# KiCad board redherring.kicad_pcb (continued)
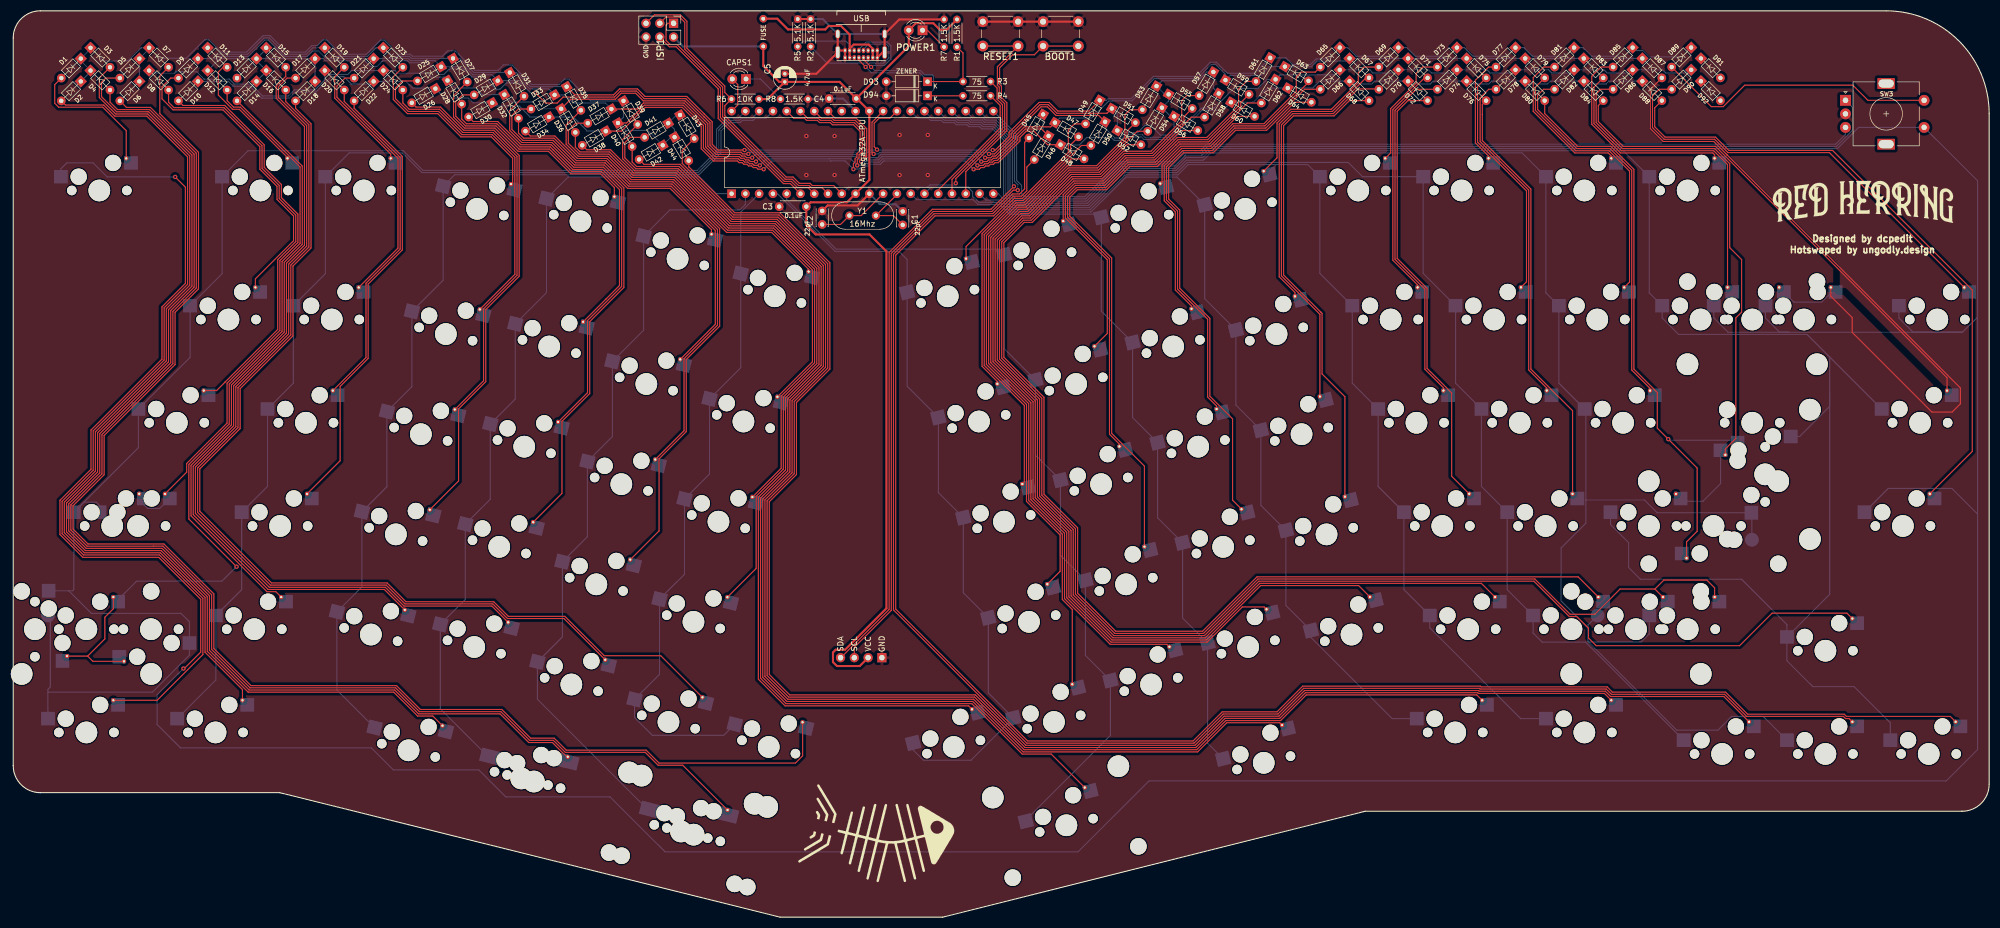
[diagram p0: board, top side]
## Nets
+5V: C3.1 C4.1 C5.1 F1.1 ISP1.2 J2.2 POWER1.2 R1.1 R6.1 U1.10 U1.30
GND: BOOT1.1 C1.1 C2.1 C3.2 C4.2 C5.2 D93.2 D94.2 ISP1.6 J2.1 R2.1 R5.1 R7.2 R8.2 RESET1.1 SW3.C U1.11 U1.31 USB.A1 USB.A12 USB.B1 USB.B12 USB.S1
VCC: F1.2 USB.A4 USB.A9 USB.B4 USB.B9
boot: BOOT1.2 U1.18
CAPSLOCK: CAPS1.2 U1.40
COL0: MX101.1 MX201.1 MX301.1 MX401.1 MX401.125.1 MX501.1 MX501.175.1 MX501.225.1 MX601.1 U1.39
COL1: MX102.1 MX202.1 MX302.1 MX402.1 MX502.1 MX602.1 U1.38
COL2: MX103.1 MX203.1 MX303.1 MX403.1 MX503.1 MX603.1 U1.37
COL3: MX104.1 MX204.1 MX304.1 MX404.1 MX504.1 MX604.1 MX604.1.1 U1.1
COL4: MX105.1 MX205.1 MX305.1 MX405.1 MX505.1 MX605.1 MX605.225.1 U1.2
COL5: MX106.1 MX206.1 MX306.1 MX406.1 MX506.1 MX606.1 U1.3
COL6: MX107.1 MX207.1 MX307.1 MX407.1 MX507.1 MX607.1 U1.4
COL7: MX108.1 MX208.1 MX308.1 MX408.1 MX508.1 MX608.1 U1.5
COL8: MX109.1 MX209.1 MX309.1 MX409.1 MX509.1 MX609.1 U1.14
COL9: MX110.1 MX210.1 MX310.1 MX410.1 MX510.1 MX610.1 U1.15
COL10: MX111.1 MX211.1 MX311.1 MX411.1 MX511.1 MX611.1 U1.19
COL11: MX112.1 MX212.1 MX312.1 MX412.1 MX512.1 MX612.1 U1.20
COL12: MX113.1 MX213.1 MX313.1 MX413.1 MX413.225.1 MX513.1 MX513.225.1 MX613.1 U1.27
COL13: MX114.1 MX214.1 MX314.1 MX314.150.1 MX414.1 MX514.1 MX614.1 U1.26
COL14: MX215.1 MX215.2.1 MX315.1 MX415.1 MX615.1 SW3.S1 U1.25
D+: R4.1 U1.16
D-: R3.1 U1.17
EN1: SW3.A U1.24
EN2: SW3.B U1.21
MISO: ISP1.1 U1.7
MOSI: ISP1.4 U1.6
reset: ISP1.5 R6.2 RESET1.2 U1.9
ROW0: D11.1 D19.1 D23.1 D27.1 D31.1 D35.1 D49.1 D61.1 D65.1 D69.1 D73.1 D77.1 D81.1 D85.1 D89.1 U1.28
ROW1: D9.1 D21.1 D25.1 D29.1 D33.1 D37.1 D47.1 D59.1 D63.1 D67.1 D71.1 D75.1 D79.1 D83.1 D87.1 U1.34
ROW2: D8.1 D20.1 D24.1 D28.1 D32.1 D36.1 D50.1 D62.1 D66.1 D70.1 D74.1 D78.1 D82.1 D86.1 D90.1 U1.33
ROW3: D10.1 D22.1 D26.1 D30.1 D34.1 D38.1 D48.1 D60.1 D64.1 D68.1 D72.1 D76.1 D80.1 D84.1 D88.1 U1.36
ROW4: D12.1 D13.1 D14.1 D15.1 D16.1 D17.1 D18.1 D51.1 D52.1 D53.1 D54.1 D55.1 D56.1 D57.1 D58.1 U1.29
ROW5: D1.1 D2.1 D3.1 D4.1 D5.1 D6.1 D7.1 D39.1 D40.1 D41.1 D42.1 D43.1 D44.1 D45.1 D46.1 U1.35
SCK: ISP1.3 U1.8
SCL: J2.3 U1.22
SDA: J2.4 U1.23
Net-(C1-Pad2): C1.2 U1.13 Y1.1
Net-(C2-Pad2): C2.2 U1.12 Y1.2
Net-(CAPS1-Pad1): CAPS1.1 R8.1
Net-(D1-Pad2): D1.2 MX615.2
Net-(D2-Pad2): D2.2 MX601.2
Net-(D3-Pad2): D3.2 MX602.2
Net-(D4-Pad2): D4.2 MX604.2 MX604.1.2
Net-(D5-Pad2): D5.2 MX603.2
Net-(D6-Pad2): D6.2 MX605.2 MX605.225.2
Net-(D7-Pad2): D7.2 MX606.2
Net-(D8-Pad2): D8.2 MX301.2
Net-(D9-Pad2): D9.2 MX201.2
Net-(D10-Pad2): D10.2 MX401.2 MX401.125.2
Net-(D11-Pad2): D11.2 MX101.2
Net-(D12-Pad2): D12.2 MX501.2 MX501.175.2 MX501.225.2
Net-(D13-Pad2): D13.2
Net-(D14-Pad2): D14.2 MX502.2
Net-(D15-Pad2): D15.2 MX503.2
Net-(D16-Pad2): D16.2 MX505.2
Net-(D17-Pad2): D17.2 MX504.2
Net-(D18-Pad2): D18.2 MX506.2
Net-(D19-Pad2): D19.2 MX102.2
Net-(D20-Pad2): D20.2 MX302.2
Net-(D21-Pad2): D21.2 MX202.2
Net-(D22-Pad2): D22.2 MX402.2
Net-(D23-Pad2): D23.2 MX103.2
Net-(D24-Pad2): D24.2 MX303.2
Net-(D25-Pad2): D25.2 MX203.2
Net-(D26-Pad2): D26.2 MX403.2
Net-(D27-Pad2): D27.2 MX104.2
Net-(D28-Pad2): D28.2 MX304.2
Net-(D29-Pad2): D29.2 MX204.2
Net-(D30-Pad2): D30.2 MX404.2
Net-(D31-Pad2): D31.2 MX105.2
Net-(D32-Pad2): D32.2 MX305.2
Net-(D33-Pad2): D33.2 MX205.2
Net-(D34-Pad2): D34.2 MX405.2
Net-(D35-Pad2): D35.2 MX106.2
Net-(D36-Pad2): D36.2 MX306.2
Net-(D37-Pad2): D37.2 MX206.2
Net-(D38-Pad2): D38.2 MX406.2
Net-(D39-Pad2): D39.2 MX607.2
Net-(D40-Pad2): D40.2 MX609.2
Net-(D41-Pad2): D41.2 MX608.2
Net-(D42-Pad2): D42.2 MX610.2
Net-(D43-Pad2): D43.2 MX611.2
Net-(D44-Pad2): D44.2 MX612.2
Net-(D45-Pad2): D45.2 MX613.2
Net-(D46-Pad2): D46.2 MX614.2
Net-(D47-Pad2): D47.2 MX207.2
Net-(D48-Pad2): D48.2 MX407.2
Net-(D49-Pad2): D49.2 MX107.2
Net-(D50-Pad2): D50.2 MX307.2
Net-(D51-Pad2): D51.2 MX508.2
Net-(D52-Pad2): D52.2 MX510.2
Net-(D53-Pad2): D53.2 MX507.2
Net-(D54-Pad2): D54.2 MX509.2
Net-(D55-Pad2): D55.2 MX514.2
Net-(D56-Pad2): D56.2 MX512.2
Net-(D57-Pad2): D57.2 MX511.2
Net-(D58-Pad2): D58.2 MX513.2 MX513.225.2
Net-(D59-Pad2): D59.2 MX208.2
Net-(D60-Pad2): D60.2 MX408.2
Net-(D61-Pad2): D61.2 MX108.2
Net-(D62-Pad2): D62.2 MX308.2
Net-(D63-Pad2): D63.2 MX209.2
Net-(D64-Pad2): D64.2 MX409.2
Net-(D65-Pad2): D65.2 MX109.2
Net-(D66-Pad2): D66.2 MX309.2
Net-(D67-Pad2): D67.2 MX210.2
Net-(D68-Pad2): D68.2 MX410.2
Net-(D69-Pad2): D69.2 MX110.2
Net-(D70-Pad2): D70.2 MX310.2
Net-(D71-Pad2): D71.2 MX211.2
Net-(D72-Pad2): D72.2 MX411.2
Net-(D73-Pad2): D73.2 MX111.2
Net-(D74-Pad2): D74.2 MX311.2
Net-(D75-Pad2): D75.2 MX212.2
Net-(D76-Pad2): D76.2 MX412.2
Net-(D77-Pad2): D77.2 MX112.2
Net-(D78-Pad2): D78.2 MX312.2
Net-(D79-Pad2): D79.2 MX213.2
Net-(D80-Pad2): D80.2 MX413.2 MX413.225.2
Net-(D81-Pad2): D81.2 MX113.2
Net-(D82-Pad2): D82.2 MX313.2
Net-(D83-Pad2): D83.2 MX214.2
Net-(D84-Pad2): D84.2 MX414.2
Net-(D85-Pad2): D85.2 MX114.2
Net-(D86-Pad2): D86.2 MX314.2 MX314.150.2
Net-(D87-Pad2): D87.2 MX215.2 MX215.2.2
Net-(D88-Pad2): D88.2 MX415.2
Net-(D89-Pad2): D89.2 SW3.S2
Net-(D90-Pad2): D90.2 MX315.2
Net-(D93-Pad1): D93.1 R1.2 R3.2 USB.A7 USB.B7
Net-(D94-Pad1): D94.1 R4.2 USB.A6 USB.B6
Net-(POWER1-Pad1): POWER1.1 R7.1
Net-(R2-Pad2): R2.2 USB.A5
Net-(R5-Pad2): R5.2 USB.B5
Net-(USB1-PadA8): USB.A8
Net-(USB1-PadB8): USB.B8

Pads without a net: D91 1 2; D92 1 2; SW3 MP; U1 32

## Via types
v1: diameter 0.8, hole 0.4, Top to Bottom, 36 vias

## Routing (per net, layer and track width the routed paths; a pad name or vN(x,y) marks a point on that pad's centre or on a via; arc(x,y) is an arc through that point)
+5V: length 212.1
  Top w0.381: R6.1 139.1,150.97 C5.1 ; J2.2 156.1,46.34 151.89,46.34 151.16,47.07 151.16,48.85 151.66,49.35 153.39,49.35 161.02,56.99 161.02,122.86 157.9,125.99 147.97,125.99 146.25,127.71 C3.1 147.05,131.92 153.75,131.92 U1.10 157.87,136.04 U1.30 155.55,151.06 ; C5.1 152.38,154.14 C4.1 165.14,160.75 POWER1.2 166.43,164.96 169.68,164.96 170.94,163.69 172.05,163.69 R1.1 ; C5.1 141.25,154.14 138.31,157.08 F1.1
  Bottom w0.381: ISP1.2 123.49,160.69 F1.1
GND: length 98.2
  Top w0.381: 153.39,158.62 USB.B1 152.39,159.94 USB.S1 ; C5.2 148.1,155.64 USB.S1 ; USB.S1 USB.S1 ; R5.1 R2.1 ; R7.2 163.39,165.67 USB.S1 USB.S1 160.32,159.59 USB.A1 USB.B12 ; BOOT1.1 BOOT1.1 RESET1.1 RESET1.1 ; C2.1 150.18,131.34 155.71,131.34 U1.11
  Bottom w0.381: U1.11 159.81,131.56 162.7,131.56 C1.1 ; USB.S1 USB.S1 149.28,165.74 R2.1 ; U1.31 153.01,151.06 C4.2 150.36,150.97 R8.2
  vias: v1(146.25,144.15) v1(146.25,136.95) v1(151.45,144.15) v1(151.45,136.95) v1(163.45,144.35) v1(163.45,136.95) v1(168.65,144.35) v1(168.65,136.95)
VCC: length 28.8
  Top w0.381: 158.49,158.62 USB.B9 158.49,160.27 157.94,160.83 157.93,160.83 157.73,161.02 154.99,161.02 154.24,160.27 USB.B4 ; USB.B4 154.24,158.62 ; USB.B4 154.24,162.87 152.65,164.45 150.37,164.45 149.73,163.82 142.88,163.82 140.9,165.79 F1.2
boot: length 43.1
  Top w0.203: U1.18 175.65,137.56 183.22,145.13 183.22,150.28 182.23,151.27 182.23,153.33 181.89,153.68 181.89,156.73 184.3,159.14 188.29,159.14 BOOT1.2 BOOT1.2
CAPSLOCK: length 6.8
  Top w0.203: U1.40 133.6,149.88 133.6,153.66 CAPS1.2
COL0: length 283.9
  Bottom w0.203: MX501.175.1 10.24,60.22 ; 10.24,60.22 10.96,60.22 11.17,60.44 MX401.125.1 ; 10.24,60.22 14.4,56.06 30.94,56.06 32.48,54.51 MX501.1 32.48,48.33 25.68,41.53 6.41,41.53 ; 6.41,55.1 6.84,54.67 6.84,42.48 6.41,42.05 6.41,41.53 ; 16.3,75.6 15.32,76.58 13.02,76.58 MX401.125.1 ; 6.41,41.53 MX601.1 ; MX401.125.1 23.08,86.63 MX301.1 32.6,103.3 MX201.1 38.51,118.73 MX101.1 43.3,141.43 71.93,141.43 75.56,137.81 126.13,137.81 129.69,141.36 129.69,145.39 131.73,147.44 133.7,147.44 U1.39
COL1: length 201.7
  Bottom w0.203: MX602.1 37.37,43.77 MX502.1 42.13,60.44 MX402.1 46.89,79.49 MX302.1 51.65,98.54 MX202.1 57.56,118.73 MX102.1 61.95,141.03 71.76,141.03 75.39,137.4 126.3,137.4 130.09,141.19 130.09,145.23 131.9,147.03 133.87,147.03 134.27,147.44 136.24,147.44 U1.38
COL2: length 179.8
  Bottom w0.203: MX603.1 59.69,41.91 MX503.1 64.3,60.94 MX403.1 68.91,79.42 MX303.1 73.52,97.91 MX203.1 79.28,117.54 MX103.1 81.39,137 126.47,137 130.5,141.03 130.5,145.06 132.06,146.63 134.03,146.63 134.44,147.03 136.41,147.03 136.81,147.44 138.78,147.44 U1.37
COL3: length 151.6
  Bottom w0.203: MX604.1.1 78.75,38.45 MX504.1 83.36,58.64 MX404.1 87.97,77.13 MX304.1 92.58,95.61 MX204.1 98.34,115.25 MX104.1 102.35,136.6 126.55,136.6 129.65,133.5 U1.1
COL4: length 145.3
  Bottom w0.203: U1.2 135.01,131.53 133.99,130.51 121.09,130.51 MX105.1 116.25,108.33 MX205.1 110.49,88.69 MX305.1 105.88,70.21 MX405.1 101.27,51.72 96.66,47.11 96.66,40.21 MX605.225.1
COL5: length 126.9
  Bottom w0.203: MX606.1 131.03,33.56 117.85,33.56 114.57,36.84 MX506.1 119.18,44.8 MX406.1 123.79,63.29 MX306.1 128.39,81.77 MX206.1 134.16,101.41 MX106.1 134.16,130.11 U1.3
COL6: length 146.3
  Bottom w0.203: MX607.1 165.94,30.86 167.85,28.95 176.61,28.95 MX507.1 179.81,41.37 MX407.1 175.2,59.86 MX307.1 170.59,78.34 MX207.1 164.83,97.98 MX107.1 164.83,121.37 163.33,122.87 151.56,122.87 140.93,133.5 U1.4
COL7: length 164.3
  Bottom w0.203: U1.5 142.63,132.37 151.73,123.27 181.71,123.27 MX108.1 182.74,104.9 MX208.1 188.5,85.26 MX308.1 193.11,66.78 MX408.1 197.72,48.29 MX508.1 202.33,33.55 186.72,17.94
COL8: length 145.4
  Bottom w0.203: 200.08,129.73 183.7,129.73 181.91,131.52 177.91,131.52 177.02,132.4 166.59,132.4 U1.14 ; MX109.1 200.65,111.82 MX209.1 206.41,92.18 MX309.1 211.02,73.7 MX409.1 215.63,55.21 MX509.1 220.24,32.11 MX609.1
COL9: length 173
  Bottom w0.203: MX610.1 254.28,36.63 239.3,51.61 MX510.1 234.69,57.51 MX410.1 230.08,76 MX310.1 225.47,94.48 MX210.1 219.71,114.12 MX110.1 214.59,136.58 205.19,136.58 198.75,130.13 183.87,130.13 182.08,131.92 178.08,131.92 176.91,133.08 176.91,133.87 176.05,134.73 169.26,134.73 U1.15
COL10: length 188.4
  Bottom w0.203: MX611.1 277.98,36.63 261.2,53.41 MX511.1 256.44,60.44 MX411.1 251.68,79.49 MX311.1 246.91,98.54 MX211.1 240.95,118.8 MX111.1 238.71,138.87 216.66,138.87 214.76,136.98 205.03,136.98 198.58,130.53 184.04,130.53 182.25,132.32 179.37,132.32 U1.19
COL11: length 213.4
  Bottom w0.203: MX612.1 289.94,50.75 281.95,50.75 280.25,52.45 MX512.1 275.49,60.44 MX412.1 270.73,79.49 MX312.1 265.96,98.54 MX212.1 260,118.8 MX112.1 248.81,136.64 246.17,139.28 216.49,139.28 214.59,137.38 204.86,137.38 198.41,130.94 184.2,130.94 181.64,133.5 U1.20
COL12: length 329.9
  Bottom w0.203: MX313.1 285.01,98.54 MX213.1 282.63,115.21 MX113.1 278.24,141.03 220.8,141.03 219.45,139.68 216.32,139.68 214.43,137.78 204.69,137.78 198.25,131.34 184.37,131.34 182.62,133.09 182.62,143.43 180.58,145.48 178.61,145.48 178.2,145.88 176.23,145.88 175.89,146.23 173.92,146.23 173.51,146.63 171.54,146.63 171.15,147.02 169.18,147.02 168.77,147.44 166.8,147.44 U1.27 ; 290.4,50.86 290.4,53.39 ; 290.4,50.86 306.75,34.51 314.35,34.51 316.89,37.05 322.69,37.05 MX613.1 ; 290.4,50.86 290.47,50.79 300.22,50.79 301.68,52.26 MX513.1 ; 290.4,53.39 290.4,53.92 MX513.225.1 ; 290.4,53.39 285.43,58.36 285.43,68.13 289.99,72.69 289.99,77.01 ; MX413.225.1 320.62,74.53 MX413.1 303.15,74.63 300.79,76.98 290.02,76.98 289.99,77.01 ; 289.99,77.01 289.99,93.56
COL13: length 373.6
  Bottom w0.203: 334.96,96.84 334.96,94.26 329.4,88.7 MX314.150.1 ; 334.96,96.84 334.96,103.37 334.61,103.71 ; 334.96,96.84 334.96,59.58 MX514.1 ; MX614.1 346.13,35.87 339.45,42.55 331.85,42.55 327.08,47.32 MX514.1 ; 334.61,103.71 330.78,107.54 307.08,107.54 304.06,110.56 MX214.1 301.68,115.21 MX114.1 296.89,141.43 220.63,141.43 219.4,140.2 216.27,140.2 214.26,138.19 204.53,138.19 198.08,131.74 184.54,131.74 183.02,133.26 183.02,143.6 180.74,145.88 178.77,145.88 178.37,146.28 176.4,146.28 176.05,146.63 174.08,146.63 173.68,147.03 171.71,147.03 171.32,147.43 169.35,147.43 U1.26 ; 334.61,103.71 MX414.1 ; MX514.1 327.08,53.98 318.7,62.36 300.05,62.36 297.88,64.53 297.88,69.11 294.54,72.46 MX314.1
COL14: length 931
  Top w0.203: v1(29.86,136.6) 31.74,134.72 31.74,116.94 27.43,112.62 27.43,102.97 14.34,89.89 14.34,82.65 8.61,76.92 8.61,70.62 12.83,66.39 26.83,66.39 34.57,58.66 34.57,48.91 31.54,45.88 v1(31.39,45.88)
  Bottom w0.203: 327.46,107.94 316.21,107.94 313.59,110.56 MX215.2.1 ; 327.46,107.94 325.73,107.94 323.12,110.56 MX215.1 ; 327.46,107.94 359.44,107.94 ; 362.22,110.78 362.22,110.72 359.44,107.94 ; 362.22,110.78 362.22,135.88 SW3.S1 340.28,145.74 336.38,141.84 220.47,141.84 219.23,140.6 216.11,140.6 214.09,138.59 204.36,138.59 197.91,132.14 184.71,132.14 183.43,133.42 183.43,143.77 180.91,146.28 178.94,146.28 178.54,146.68 176.57,146.68 176.22,147.03 174.25,147.03 173.85,147.44 171.88,147.44 U1.25 ; 362.22,110.78 362.22,74.38 ; MX415.1 345.76,79.12 357.48,79.12 362.22,74.38 ; 362.22,74.38 362.22,30.92 356.43,25.13 209.42,25.13 196.34,12.05 120.21,12.05 110.08,22.18 90.84,22.18 85.85,27.17 70.1,27.17 66.04,31.23 30.86,31.23 26.53,35.56 26.53,41.04 30.43,44.94 30.45,44.94 v1(31.39,45.88) ; v1(29.86,136.6) 17.31,136.6 14.71,139.2 9.89,139.2 8.79,138.1 MX615.1 ; MX315.1 347.72,110.56 350.34,107.94 359.44,107.94
D+: length 22.9
  Top w0.203: 170.57,134.19 182.01,145.64 181.99,145.66 181.99,149.8 R4.1
D-: length 25.5
  Top w0.203: R3.1 181.43,153 181.43,150.93 182.42,149.95 182.42,145.47 173.11,136.16 U1.17
EN1: length 190.1
  Bottom w0.203: SW3.A 339.17,149.44 339.17,145.2 336.21,142.24 220.3,142.24 219.07,141.01 215.94,141.01 213.93,138.99 204.19,138.99 197.75,132.55 184.87,132.55 183.83,133.59 183.83,143.93 181.08,146.68 179.11,146.68 178.71,147.09 176.74,147.09 176.39,147.44 174.42,147.44 U1.24
EN2: length 175.6
  Bottom w0.203: SW3.B 337.87,144.47 336.05,142.64 220.13,142.64 218.9,141.41 215.77,141.41 213.76,139.4 204.03,139.4 197.58,132.95 186.5,132.95 185.96,133.49 185.96,135.04 185.04,135.96 185.04,144.43 U1.21
MISO: length 46.6
  Top w0.203: ISP1.1 120.72,164.96 120.38,164.62 120.38,161.8 121.16,161.02 122.42,161.02 127.66,155.78 127.66,155.77 130.41,153.02 130.41,147.56 142.2,135.77 143.47,135.77 144.64,134.61 146.61,134.61 U1.7
MOSI: length 41.1
  Top w0.203: 119.23,162.38 120.99,160.62 122.25,160.62 127.25,155.62 127.25,155.61 130,152.85 130,147.4 142.03,135.37 143.3,135.37 U1.6
reset: length 117.1
  Top w0.203: ISP1.5 118.24,166.51 123.03,166.51 124.23,165.31 124.23,160.35 131.21,153.37 131.21,152.19 R6.2 131.21,149.74 131.21,147.9 142.53,136.58 143.8,136.58 144.97,135.41 146.94,135.41 147.34,135.01 151.28,135.01 U1.9 ; RESET1.2 RESET1.2 181.48,156.95 181.48,153.51 181.83,153.17 181.83,151.1 182.82,150.11 182.82,145.3 173.81,136.29 v1(173.81,135.44)
  Bottom w0.203: v1(173.81,135.44) 173.8,135.44 173.5,135.14 169.09,135.14 168.67,134.72 168.66,134.73 154.02,134.73 U1.9
ROW0: length 320.2
  Top w0.203: v1(159.28,141.63) 158.76,142.15 158.76,146.53 159.67,147.44 161.64,147.44 U1.28 ; D35.1 103.56,151.74 110.7,151.74 111.8,152.84 115.11,152.84 116.5,151.45 124.2,151.45 128.89,146.76 128.89,142.62 129.95,141.56 v1(134.84,141.56) ; v1(180.63,141.55) 181.1,141.55 183.63,144.08 183.63,144.82 189.15,150.35 191.03,150.35 192.63,148.75 198.36,148.75 D49.1
  Bottom w0.203: D35.1 95.41,153.25 92.8,155.86 D31.1 84.94,155.86 82.32,158.47 D27.1 73.43,158.47 73.06,158.84 69.85,158.84 D23.1 66.9,160.43 65.3,158.84 59.05,158.84 D19.1 55.23,160.43 54.03,159.24 50.23,159.24 47.2,162.27 46.23,162.27 43.2,159.24 37.05,159.24 D11.1 ; v1(134.84,141.56) 159.21,141.56 v1(159.28,141.63) 159.36,141.55 v1(180.63,141.55) ; D49.1 201.55,150.74 201.85,151.04 206.14,151.04 210.26,155.16 218.13,155.16 220.74,157.77 221.87,157.77 223.91,155.73 228.94,155.73 D61.1 234.66,158.58 235.89,157.36 239.22,157.36 240.25,158.38 242.53,158.38 D65.1 246.05,160.47 247.65,158.87 253.82,158.87 D69.1 256.98,160.47 258.57,158.87 264.62,158.87 D73.1 267.57,160.47 269.17,158.87 275.42,158.87 D77.1 278.57,160.47 280.16,158.87 286.22,158.87 D81.1 289.49,160.47 291.08,158.87 297.02,158.87 D85.1 299.18,159.9 300.54,159.9 301.7,158.74 307.68,158.74 D89.1
ROW1: length 310.2
  Top w0.203: D47.1 191.32,145.85 186.46,145.85 184.83,144.22 184.83,143.58 181.3,140.04 180.73,140.04 180.42,139.74 179.85,139.74 179.55,139.43 v1(178.51,139.43) ; v1(136.97,139.44) 135.93,139.44 135.63,139.74 135.05,139.74 134.75,140.05 134.18,140.05 133.88,140.35 129.45,140.35 127.68,142.12 127.68,146.26 127.26,146.68 123.7,150.24 116.22,150.24 115.11,149.13 D37.1 ; U1.34 149.02,147.44 150.99,147.44 151.39,147.03 155.28,147.03 156.97,145.34 156.97,141.13 156.38,140.54 156.38,139.48 v1(156.35,139.45)
  Bottom w0.203: D87.1 D83.1 D79.1 D75.1 D71.1 D67.1 ; D47.1 192.96,147.49 198.9,147.49 202.04,150.63 206.31,150.63 210.43,154.75 218.3,154.75 220.91,157.37 221.71,157.37 223.53,155.54 D59.1 224.4,155.33 230.01,155.33 231.64,156.95 D63.1 239.39,156.95 240.41,157.98 245.92,157.98 ; v1(178.51,139.43) 177.6,140.34 160.17,140.34 159.58,139.75 157.71,139.75 157.41,139.45 v1(156.35,139.45) 155.44,140.35 137.88,140.35 v1(136.97,139.44) ; D9.1 37.48,158.43 37.89,158.84 43.37,158.84 46.4,161.87 47.04,161.87 50.07,158.84 54.2,158.84 55.23,159.87 56.28,159.87 57.72,158.43 D21.1 72.9,158.43 73.26,158.07 77.76,158.07 D25.1 83.3,156.93 84.77,155.46 88.25,155.46 D29.1 93.74,154.36 95.25,152.85 98.72,152.85 D33.1 101.75,151.74 103.26,150.23 109.2,150.23 D37.1
ROW2: length 331.8
  Top w0.203: D36.1 102.8,150.94 111.03,150.94 112.13,152.04 114.78,152.04 116.17,150.64 123.86,150.64 128.08,146.43 128.08,142.29 129.62,140.76 134.04,140.76 134.35,140.45 134.92,140.45 135.22,140.15 v1(136.26,140.15) ; v1(179.22,140.14) 180.26,140.14 180.56,140.44 181.13,140.44 184.43,143.74 184.43,144.45 189.52,149.54 190.7,149.54 192.3,147.94 200.16,147.94 D50.1 ; U1.33 151.56,147.44 155.45,147.44 157.38,145.5 157.38,140.45 v1(157.08,140.15)
  Bottom w0.203: D36.1 97.06,149.17 95.82,150.41 91.94,150.41 D32.1 86.45,151.79 86.1,152.14 86.1,152.27 85.34,153.02 81.46,153.02 D28.1 79.48,155 77.13,155 76.39,155.74 70.91,155.74 70.42,156.23 D24.1 62.38,156.23 61.65,155.5 58.19,155.5 D20.1 57.45,154.47 55.65,152.67 51.87,152.67 50.74,151.54 45.99,151.54 43.8,153.73 40.74,153.73 39.84,154.64 35.22,154.64 33.85,156 29.99,156 29.73,155.74 25.55,155.74 ; D90.1 308.82,155.78 304.74,155.78 304.14,156.37 D86.1 298.02,155.78 293.94,155.78 293.34,156.37 D82.1 287.22,155.78 283.7,155.78 283.1,156.37 D78.1 276.42,155.78 272.34,155.78 271.74,156.37 D74.1 265.62,155.78 261.54,155.78 260.94,156.37 D70.1 254.82,155.78 250.74,155.78 250.14,156.37 D66.1 243.69,155.44 233.62,155.44 D62.1 231.18,154.6 229.52,152.95 225.06,152.95 221.41,149.29 219.07,149.29 213.7,143.92 208.68,143.92 208.21,144.39 204.62,144.39 203.99,143.76 203.19,143.76 201.34,145.61 D50.1 ; v1(136.26,140.15) 136.87,140.76 156.47,140.76 v1(157.08,140.15) 159.41,140.15 160.01,140.75 178.61,140.75 v1(179.22,140.14)
ROW3: length 315.6
  Top w0.203: v1(177.1,138.02) 178.14,138.02 178.44,138.32 179.01,138.32 179.31,138.63 179.88,138.63 180.19,138.93 180.76,138.93 181.06,139.23 181.63,139.23 182.04,139.64 185.64,143.24 185.64,143.88 186.8,145.04 188.23,145.04 190.73,142.55 D48.1 ; v1(138.38,138.03) 137.34,138.03 137.04,138.33 136.47,138.33 136.17,138.63 135.6,138.63 135.29,138.94 134.72,138.94 134.42,139.24 133.85,139.24 133.54,139.55 129.12,139.55 126.87,141.79 126.87,145.92 123.36,149.44 116.55,149.44 112.17,145.06 D38.1 ; U1.36 143.94,147.44 145.91,147.44 146.31,147.03 148.28,147.03 148.68,146.63 150.65,146.63 151.06,146.23 154.94,146.23 156.17,145 156.17,141.47 155.57,140.87 155.57,140.28 155.24,139.95 155.24,139.37 154.93,139.06 v1(154.93,138.03)
  Bottom w0.203: v1(177.1,138.02) 175.58,139.54 160.51,139.54 159.91,138.94 158.05,138.94 157.75,138.64 157.15,138.64 156.84,138.33 156.28,138.33 155.98,138.03 v1(154.93,138.03) 153.41,139.55 150.74,139.55 150.73,139.54 139.89,139.54 v1(138.38,138.03) ; 279.31,153.78 282.93,153.78 283.43,154.27 D84.1 ; D22.1 72.42,154.23 73.65,153 77.75,153 ; D26.1 79.6,151.15 83.96,151.15 84.82,150.28 D30.1 88.91,149.7 93.27,149.7 95.3,147.67 D34.1 103.23,147.67 105.84,145.06 D38.1 ; 65.96,153.74 62.34,153.74 60.98,155.1 58.65,155.1 55.82,152.26 52.03,152.26 50.91,151.14 45.83,151.14 43.63,153.33 40.57,153.33 39.67,154.23 D10.1 ; D68.1 240.89,154.27 239.62,153 D64.1 231.29,153 228.67,150.39 D60.1 223.06,148.89 219.24,148.89 213.86,143.51 208.51,143.51 208.04,143.98 204.78,143.98 204.16,143.36 203.03,143.36 202.51,143.88 197.95,143.88 196.6,142.52 193.14,142.52 ; 290.11,153.78 293.73,153.78 294.23,154.27 D88.1 ; D72.1 251.03,154.27 250.53,153.78 246.91,153.78 ; 268.51,153.78 272.13,153.78 272.63,154.27 D80.1 ; 257.71,153.78 261.33,153.78 261.83,154.27 D76.1
ROW4: length 251.2
  Top w0.203: v1(179.93,140.85) 180.96,140.85 184.03,143.91 184.03,144.62 189.35,149.94 190.87,149.94 192.46,148.35 201.69,148.35 D51.1 ; U1.29 158.36,146.7 158.36,141.15 v1(158.66,140.85) ; v1(96.27,152.14) 98.18,150.23 100.29,150.23 101.4,151.34 110.87,151.34 111.97,152.44 114.95,152.44 116.34,151.05 124.03,151.05 128.49,146.59 128.49,142.46 129.78,141.16 134.21,141.16 134.52,140.85 v1(135.55,140.85)
  Bottom w0.203: D12.1 38.05,158.43 D13.1 ; D13.1 D17.1 ; D13.1 46.65,160.23 ; D17.1 57.15,158.43 57.55,158.03 64.84,158.03 65.87,157 67.1,157 68.13,158.03 72.73,158.03 73.09,157.67 76.37,157.67 78.5,155.53 79.41,155.53 80.41,156.53 83.13,156.53 84.6,155.06 86.74,155.06 89.03,152.77 89.74,152.77 90.93,153.95 93.57,153.95 95.38,152.14 v1(96.27,152.14) ; D17.1 D18.1 ; 212.34,151.85 D53.1 211.83,154.35 218.46,154.35 220.08,155.97 D57.1 221.31,152.98 D58.1 ; D55.1 213.06,150.61 D54.1 213.42,147.77 ; 179.92,140.85 v1(179.93,140.85) 179.93,140.86 179.64,141.15 159.84,141.15 159.54,140.85 v1(158.66,140.85) 158.35,141.16 135.84,141.16 135.55,140.87 v1(135.55,140.85) ; D16.1 44.86,158.03 ; D56.1 214.07,144.86 213.53,144.32 211.53,144.32 209.73,146.12 208.68,146.12 207.35,144.79 204.9,144.79 204.53,145.16 D52.1 203.59,148.22 D51.1 ; D14.1 46.65,156.03
ROW5: length 269.9
  Top w0.203: D46.1 189.63,145.44 186.63,145.44 185.24,144.05 185.24,143.41 181.47,139.64 180.9,139.64 180.59,139.33 180.02,139.33 179.72,139.03 179.15,139.03 178.84,138.73 v1(177.8,138.73) ; v1(155.64,138.73) 155.65,138.73 155.65,139.78 155.97,140.11 155.97,140.7 156.57,141.3 156.57,145.17 155.11,146.63 151.22,146.63 150.82,147.03 148.85,147.03 148.45,147.44 146.48,147.44 U1.35 ; D40.1 113.11,146.56 116.39,149.84 123.53,149.84 127.28,146.09 127.28,141.96 129.28,139.95 133.71,139.95 134.02,139.64 134.58,139.64 134.88,139.34 135.46,139.34 135.76,139.04 136.33,139.04 136.64,138.73 v1(137.67,138.73)
  Bottom w0.203: D46.1 189.92,145.15 D45.1 ; D4.1 12.46,158.03 ; D44.1 121.95,145.36 D41.1 122.3,148.04 ; 121.29,143.96 D42.1 117.03,145.18 112.9,145.18 D40.1 112.53,147.58 D39.1 106.46,150.64 102.45,154.65 101.65,154.65 100.66,153.65 95.58,153.65 91.97,157.26 90.4,157.26 89.4,156.27 85.1,156.27 81.49,159.87 80.15,159.87 79.15,158.88 73.59,158.88 73.23,159.24 71,159.24 68.38,161.87 67.76,161.87 65.13,159.24 60.41,159.24 57.74,161.91 57.15,161.91 56.07,160.84 55.06,160.84 53.86,159.64 50.4,159.64 47.37,162.67 46.07,162.67 43.04,159.64 38.34,159.64 36.07,161.91 35.31,161.91 31.9,158.5 26.99,158.5 D7.1 23.58,160.43 21.15,158 16.69,158 D3.1 ; v1(177.8,138.73) 176.59,139.94 160.34,139.94 159.74,139.34 157.88,139.34 157.58,139.04 156.98,139.04 156.67,138.73 v1(155.64,138.73) 154.43,139.95 150.5,139.95 150.5,139.94 138.88,139.94 v1(137.67,138.73) ; D1.1 14.25,160.23 ; D6.1 D5.1 25.05,160.23 ; D2.1 14.25,156.03
SCK: length 51.1
  Top w0.203: U1.8 149.15,134.61 147.18,134.61 146.77,135.01 144.8,135.01 143.64,136.18 142.36,136.18 130.81,147.73 130.81,153.2 123.83,160.19 123.83,165.14 122.86,166.11 120.38,166.11 ISP1.3
SCL: length 124.2
  Top w0.203: J2.3 155.1,49.8 161.92,56.62 161.92,122.49 169.65,130.22 180.46,130.22 184.39,134.15 v1(185.24,134.15)
  Bottom w0.203: U1.22 179.44,147.49 181.41,147.49 184.64,144.27 184.64,135.8 185.23,135.2 185.23,134.16 v1(185.24,134.15)
SDA: length 126.4
  Top w0.203: 152.61,47.88 161.52,56.79 161.52,122.66 169.49,130.63 180.3,130.63 v1(184.53,134.86)
  Bottom w0.203: v1(184.53,134.86) 184.23,135.16 184.23,144.1 181.25,147.09 179.28,147.09 178.87,147.49 176.9,147.49 U1.23
Net-(C1-Pad2): length 11.2
  Top w0.203: C1.2 162.29,129.47 Y1.1 162.95,133.35
Net-(C2-Pad2): length 13.6
  Top w0.203: U1.12 156.38,129.47 Y1.2 152.55,127.83 C2.2
Net-(CAPS1-Pad1): length 7.9
  Bottom w0.203: R8.1 137.77,154.67 CAPS1.1
Net-(D1-Pad2): length 25.5
  Top w0.203: D1.2 7.65,153.63 7.65,150.2 8.38,149.47 16.51,149.47 20.84,145.14 MX615.2
Net-(D2-Pad2): length 167.9
  Top w0.203: MX601.2 26.53,40.02 34.97,48.46 34.97,58.82 26.95,66.84 12.95,66.84 9.02,70.78 9.02,76.75 14.75,82.48 14.75,89.72 27.83,102.8 27.83,112.46 32.15,116.77 32.15,140.31 24.64,147.82 18.73,147.82 16.68,149.87 9.63,149.87 8.86,150.64
Net-(D3-Pad2): length 159.4
  Top w0.203: D3.2 15.88,154.87 15.88,151.25 18.9,148.22 24.81,148.22 32.55,140.47 32.55,116.61 28.23,112.29 28.23,102.64 15.15,89.56 15.15,82.32 9.42,76.59 9.42,70.95 13.12,67.25 27.12,67.25 35.38,58.99 35.38,48.89 42.27,42 MX602.2
Net-(D4-Pad2): length 215.5
  Top w0.203: D4.2 17.84,150.42 19.23,149.03 24.52,149.03 25.14,149.03 33.36,140.81 33.36,116.27 29.04,111.96 29.04,102.3 15.96,89.22 15.96,81.98 10.23,76.25 10.23,71.28 13.46,68.05 27.46,68.05 36.18,59.33 36.18,49.23 43.49,41.92 70.34,41.92 74.74,37.52 89.77,37.52 95.06,32.22 99.43,32.22 101.84,29.81
Net-(D5-Pad2): length 196.7
  Top w0.203: MX603.2 77.37,37.12 74.58,37.12 70.18,41.52 43.32,41.52 35.78,49.06 35.78,59.16 27.29,67.65 13.29,67.65 9.82,71.12 9.82,76.42 15.55,82.15 15.55,89.39 28.64,102.47 28.64,112.12 32.95,116.44 32.95,140.64 24.97,148.62 24.68,148.62 19.07,148.62 16.28,151.41 16.28,154.06 17.06,154.84 D5.2
Net-(D6-Pad2): length 245.6
  Top w0.203: D6.2 20.88,149.43 24.6,149.43 25.31,149.43 33.76,140.98 33.76,116.11 29.44,111.79 29.44,102.14 16.36,89.06 16.36,81.82 10.63,76.08 10.63,71.45 13.62,68.46 25.84,68.46 25.85,68.47 27.61,68.47 36.59,59.49 36.59,49.41 43.66,42.34 43.66,42.32 70.51,42.32 74.91,37.92 89.94,37.92 95.23,32.63 99.6,32.63 101.81,30.41 116.55,30.41 118.92,28.03 123.46,28.03 MX605.2
Net-(D7-Pad2): length 263.5
  Top w0.203: MX606.2 145.57,29.77 144.23,28.44 119.09,28.44 116.71,30.81 101.98,30.81 99.76,33.03 95.4,33.03 90.1,38.33 75.08,38.33 70.68,42.73 43.84,42.73 36.99,49.58 36.99,59.66 27.78,68.87 13.8,68.87 13.79,68.86 11.03,71.62 11.03,75.92 16.76,81.65 16.76,88.89 29.85,101.97 29.85,111.62 34.16,115.94 34.16,141.14 27.03,148.28 27.03,155.23 D7.2
Net-(D8-Pad2): length 79
  Top w0.203: MX301.2 37.49,97.17 39.03,98.7 39.03,98.71 48.77,108.45 48.77,121.34 52.09,124.66 52.09,129.57 49.04,132.62 49.04,135.04 45.88,138.2 45.88,142.35 38.85,149.38 29.64,149.38 28.64,150.38 D8.2
Net-(D9-Pad2): length 59.1
  Top w0.203: D9.2 29.04,154.84 27.43,153.23 27.43,151.02 29.47,148.98 38.68,148.98 45.48,142.18 45.48,138.03 48.64,134.87 48.64,132.45 51.69,129.4 51.69,124.83 44.65,117.79 MX201.2
Net-(D10-Pad2): length 102.1
  Top w0.203: MX401.2 31.98,82.11 31.98,83.72 39.43,91.17 39.43,98.54 49.17,108.28 49.17,121.17 52.5,124.49 52.5,129.73 50.93,131.3 50.93,131.31 49.45,132.79 49.45,135.2 46.28,138.37 46.28,142.52 39.01,149.79 31.32,149.79 D10.2
  Bottom w0.203: 27.99,76.39 27.01,75.42 24.79,75.42 23.22,76.99
Net-(D11-Pad2): length 23.7
  Top w0.203: 50.56,140.21 41.69,149.08 40.46,149.08 37.82,151.71 37.82,155.97 38.69,156.84 D11.2
Net-(D12-Pad2): length 155
  Top w0.203: MX501.225.2 18.46,56.92 16.89,55.34 16.89,51.34 13.72,48.17 ; 13.72,48.17 MX501.175.2 ; 13.72,48.17 14.69,47.21 MX501.2 ; v1(41.19,64.67) 32.39,73.47 32.39,83.56 39.84,91.01 39.84,98.37 49.57,108.11 49.57,121 52.9,124.33 52.9,138.44 41.86,149.48 40.63,149.48 39.44,150.66 D12.2
  Bottom w0.203: v1(41.19,64.67) 41.19,64.72 38.48,62.01 22.75,62.01 19.34,58.6 MX501.225.2
Net-(D14-Pad2): length 112.9
  Top w0.203: MX502.2 48.42,60.07 46.78,60.07 32.79,74.06 32.79,83.39 40.24,90.84 40.24,98.21 49.98,107.94 49.98,120.84 53.3,124.16 53.3,138.6 D14.2
Net-(D15-Pad2): length 140.2
  Top w0.203: D15.2 50.24,155.15 48.49,153.4 48.49,151.12 53.71,145.9 53.71,123.99 50.38,120.67 50.38,107.78 40.64,98.04 40.64,90.67 33.19,83.22 33.19,74.28 47,60.47 68.44,60.47 MX503.2
Net-(D16-Pad2): length 174.7
  Top w0.203: D16.2 50.24,150.5 54.51,146.24 54.51,123.66 51.19,120.34 51.19,107.44 41.45,97.71 41.45,90.34 39.32,88.21 34,82.89 34,74.7 47.42,61.28 68.77,61.28 72.24,57.81 88.43,57.81 91.14,55.11 101.55,55.11 MX505.2
Net-(D17-Pad2): length 159.2
  Top w0.203: MX504.2 88.27,57.41 72.07,57.41 68.61,60.87 47.23,60.87 33.59,74.51 33.59,83.05 39.15,88.61 41.05,90.51 41.05,97.87 50.78,107.61 50.78,120.5 54.11,123.83 54.11,146.07 48.9,151.28 48.9,153.23 50.51,154.84 D17.2
Net-(D18-Pad2): length 192.3
  Top w0.203: D18.2 52.06,149.25 54.91,146.4 54.91,123.49 51.59,120.17 51.59,107.28 41.85,97.54 41.85,90.17 39.49,87.81 34.4,82.72 34.4,74.9 47.62,61.68 68.94,61.68 72.41,58.21 88.6,58.21 91.3,55.51 101.72,55.51 108.98,48.25 119.4,48.25 MX506.2
Net-(D19-Pad2): length 21.8
  Top w0.203: MX102.2 69.61,140.82 59.29,151.14 59.29,155.08 D19.2
Net-(D20-Pad2): length 64.9
  Top w0.203: D20.2 61.04,150.52 71.35,140.22 71.35,123.3 65.04,116.99 65.04,103.27 MX302.2
